# KiCad board redherring.kicad_pcb (continued)
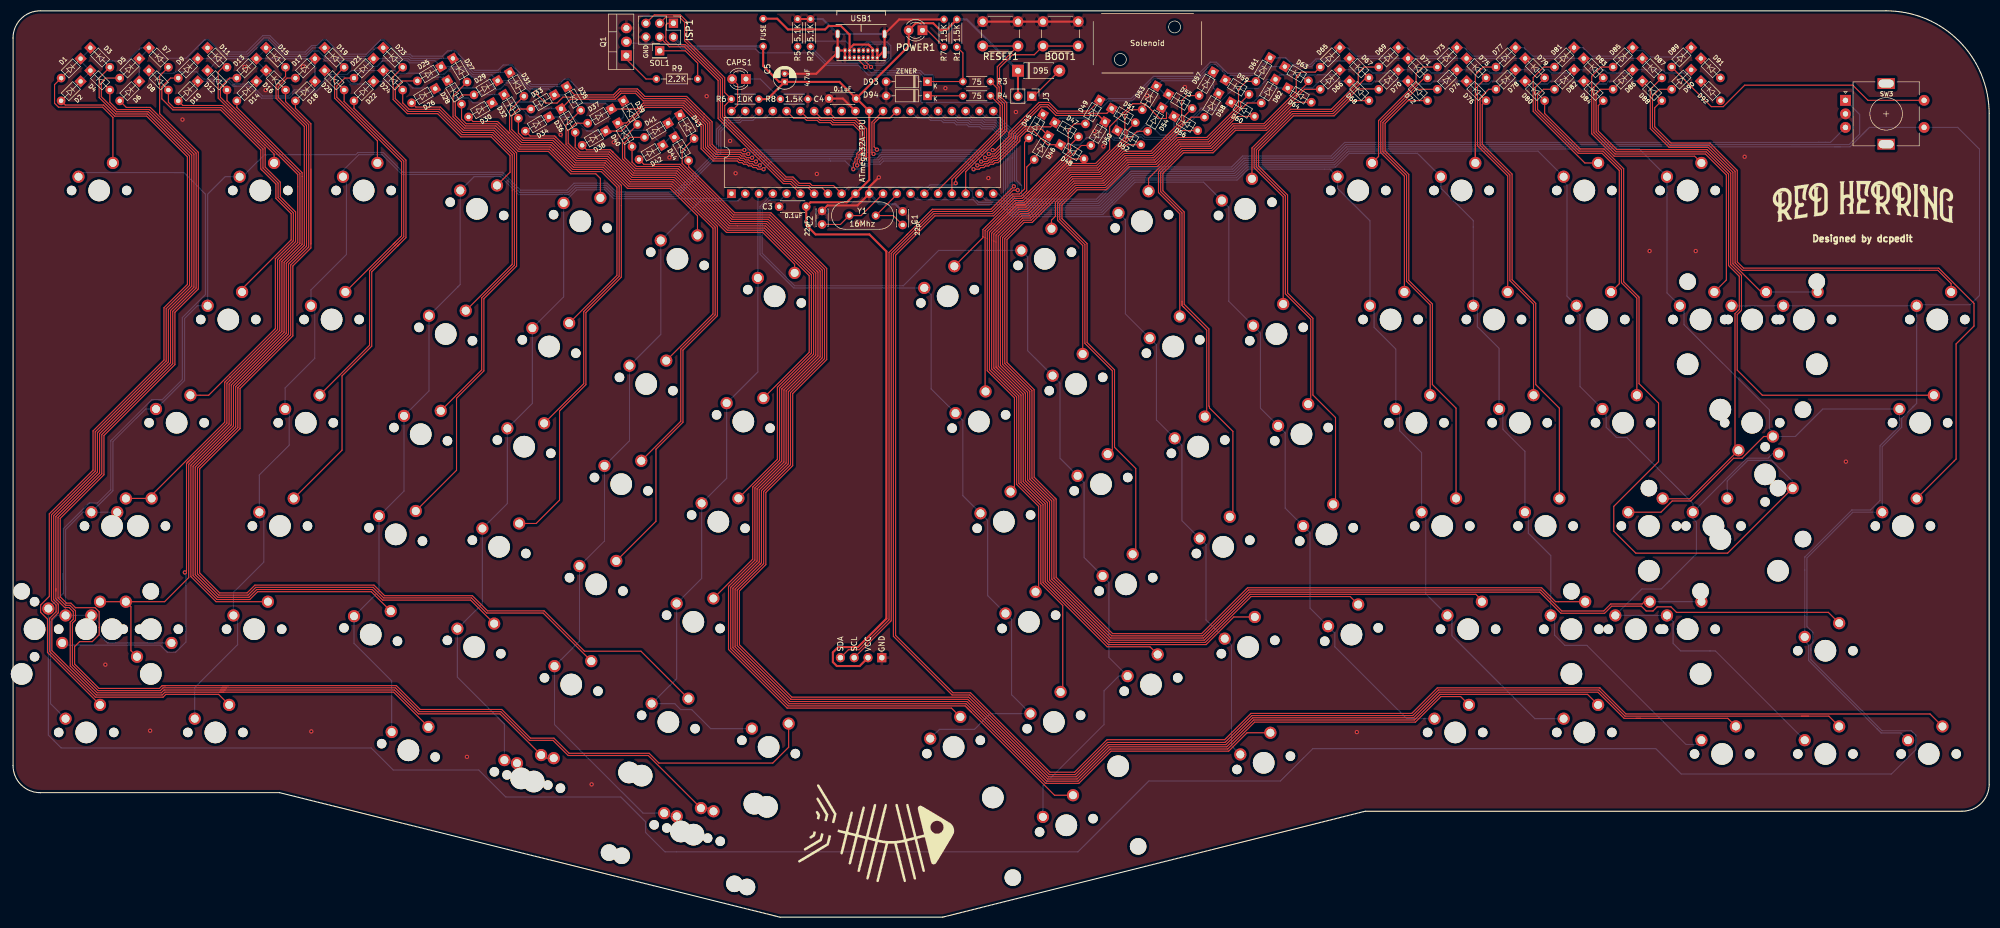
[diagram p0: board, top side]
## Routing (per net, layer and track width the routed paths; a pad name or vN(x,y) marks a point on that pad's centre or on a via; arc(x,y) is an arc through that point) (continued)
Net-(D7-Pad2): length 280.1
  Top w0.203: MX606.2 143.01,31.36 140.08,28.44 119.09,28.44 117.29,30.24 102.53,30.24 99.74,33.03 95.4,33.03 90.1,38.33 75.08,38.33 70.68,42.73 39.68,42.73 ; 28.13,42.73 27.5,42.73 26.98,42.21 15.85,42.21 11.35,46.7 11.35,49.92 12.27,50.84 14.6,50.84 15.88,52.12 15.88,53.45 15.87,53.46 15.87,56.36 15.13,57.1 11.51,57.1 10.67,57.94 9.86,57.94 8.7,59.11 8.7,73.58 16.76,81.65 16.76,88.89 29.84,101.97 29.84,111.62 34.16,115.94 34.16,141.14 27.03,148.28 27.03,155.23 D7.2 ; 28.13,42.73 39.68,42.73 ; 28.13,42.73 27.5,42.73 ; 39.68,42.73 38.57,42.73
Net-(D8-Pad2): length 80.9
  Top w0.203: MX301.2 36.07,96.32 48.36,108.61 48.36,121.5 51.69,124.83 51.69,129.97 48.87,132.79 48.87,135.46 46.08,138.25 46.08,141.75 38.44,149.38 29.64,149.38 28.64,150.38 D8.2
Net-(D9-Pad2): length 60.4
  Top w0.203: MX201.2 42.23,115.94 51.29,125 51.29,129.8 48.47,132.62 48.47,135.29 45.68,138.08 45.68,141.58 38.27,148.98 29.47,148.98 27.43,151.02 27.43,153.23 29.04,154.84 D9.2
Net-(D10-Pad2): length 102.9
  Top w0.203: 45.06,143.34 46.48,141.91 46.48,138.42 49.28,135.62 49.28,132.96 50.93,131.31 50.93,131.3 52.09,130.14 52.09,124.66 48.77,121.34 48.77,108.45 40.01,99.68 39.03,98.71 39.03,91.34 25.53,77.84 25.53,77.27 MX401.125.2 ; 45.06,143.34 45.44,142.96 ; 45.06,143.34 38.61,149.79 31.32,149.79 D10.2
Net-(D11-Pad2): length 23.7
  Top w0.203: 40.43,148.53 39.94,149.02 ; 39.94,149.02 48.13,140.83 MX101.2 ; 39.94,149.02 37.82,151.14 37.82,155.97 38.69,156.84 D11.2
Net-(D12-Pad2): length 133.3
  Top w0.203: D12.2 39.44,150.66 52.9,137.21 52.9,124.33 49.57,121 49.57,108.11 39.84,98.37 39.84,91.01 32.38,83.56 32.38,62.66 27.94,58.22 MX501.175.2 ; MX501.2 21.74,49.18 21.74,57.28 MX501.175.2 ; MX501.175.2 MX501.225.2
Net-(D13-Pad2): length 146.9
  Top w0.203: 33.31,85.05 31.98,83.72 ; 33.31,85.05 31.98,83.72 ; 33.31,85.05 39.43,91.17 39.43,98.54 40.02,99.13 49.17,108.28 49.17,121.17 52.5,124.49 52.5,137.04 38.23,151.31 38.23,153.15 39.92,154.84 D13.2 ; 31.98,83.72 31.98,63.91 v1(31.68,63.62)
  Bottom w0.203: 9.05,50.6 9.45,50.19 27.14,50.19 28.45,48.88 29.97,48.88 31.88,50.79 31.88,63.42 v1(31.68,63.62)
Net-(D14-Pad2): length 117.7
  Top w0.203: MX502.2 37.42,58.22 32.79,62.85 32.79,83.39 40.24,90.84 40.24,98.21 49.98,107.94 49.98,120.84 53.3,124.16 53.3,137.38 41.26,149.41 D14.2 41.26,150.36
Net-(D15-Pad2): length 145.6
  Top w0.203: MX503.2 66.05,60.06 45.09,60.06 43.65,58.62 37.59,58.62 33.19,63.02 33.19,83.22 38.98,89.01 40.64,90.67 40.64,98.04 50.38,107.78 50.38,120.67 53.71,123.99 53.71,145.9 48.49,151.12 48.49,153.4 50.24,155.15 D15.2
Net-(D16-Pad2): length 180
  Top w0.203: MX505.2 97.74,56.12 87.32,56.12 84.53,58.92 68.34,58.92 66.39,60.87 44.75,60.87 43.31,59.43 37.92,59.43 34,63.35 34,82.89 39.32,88.21 41.45,90.34 41.45,97.71 51.19,107.44 51.19,120.34 54.51,123.66 54.51,146.24 50.24,150.5 D16.2
Net-(D17-Pad2): length 164.6
  Top w0.203: MX504.2 84.37,58.51 68.17,58.51 66.22,60.46 44.92,60.46 43.48,59.02 37.76,59.02 33.59,63.19 33.59,83.05 39.15,88.61 41.05,90.51 41.05,97.87 50.78,107.61 50.78,120.5 54.11,123.83 54.11,146.07 48.89,151.28 48.89,153.23 50.51,154.84 D17.2
Net-(D18-Pad2): length 211.5
  Top w0.203: D18.2 52.06,149.25 54.91,146.4 54.91,124.24 ; 54.91,124.24 54.91,123.49 51.59,120.17 51.59,107.28 41.85,97.54 41.85,90.17 39.49,87.81 34.4,82.72 34.4,63.52 38.09,59.83 43.15,59.83 44.58,61.27 66.55,61.27 68.5,59.32 84.7,59.32 87.49,56.53 97.91,56.53 105.35,49.08 115.77,49.08 MX506.2 ; 54.91,124.24 54.91,138.04
Net-(D19-Pad2): length 21.7
  Top w0.203: D19.2 59.29,155.08 59.29,151.14 67.18,143.25 MX102.2
Net-(D20-Pad2): length 67.9
  Top w0.203: 70.39,123.91 72.04,125.56 72.04,139.53 61.04,150.53 D20.2 ; 70.39,123.91 70.83,124.35 ; 70.39,123.91 65.73,119.25 65.73,105.53 MX302.2
Net-(D21-Pad2): length 51.5
  Top w0.203: 70.43,124.52 70.1,124.19 ; 70.1,124.19 MX202.2 ; 70.1,124.19 71.64,125.73 71.64,139.36 59.69,151.31 59.69,153.36 61.17,154.84 D21.2
Net-(D22-Pad2): length 86.3
  Top w0.203: D22.2 62.86,149.28 72.45,139.69 72.45,125.4 70.93,123.88 ; 70.93,123.88 66.13,119.08 66.13,105.37 60.66,99.89 60.66,86.18 MX402.2 ; 70.93,123.88 71.24,124.19
Net-(D23-Pad2): length 39
  Top w0.203: D23.2 70.08,155.08 70.08,150.89 72.69,148.28 78.28,148.28 82.56,144 88.15,144 91.64,140.51 91.64,137.47 89.23,135.07 MX103.2
Net-(D24-Pad2): length 79.9
  Top w0.203: MX303.2 86.41,100.98 86.41,114.29 92.44,120.32 92.44,140.85 88.48,144.81 82.9,144.81 78.62,149.09 73.03,149.09 71.84,150.27 D24.2
Net-(D25-Pad2): length 64.7
  Top w0.203: D25.2 71.78,154.31 70.48,153.02 70.48,151.06 72.86,148.68 78.45,148.68 82.73,144.4 88.32,144.4 92.04,140.68 92.04,120.49 MX203.2
Net-(D26-Pad2): length 97
  Top w0.203: D26.2 74.29,149.49 78.79,149.49 83.06,145.21 88.65,145.21 92.82,141.04 92.85,141.04 92.85,120.15 86.81,114.12 86.81,100.81 81.77,95.77 81.77,82.47 MX403.2
Net-(D27-Pad2): length 43
  Top w0.203: D27.2 81.13,151.54 81.13,147.71 83.23,145.61 88.82,145.61 90.17,144.26 90.2,144.26 93.14,141.32 98.7,141.32 102.84,137.18 107.44,137.18 108.29,136.33 MX104.2
Net-(D28-Pad2): length 86.4
  Top w0.203: D28.2 82.7,147.29 83.57,146.42 89.18,146.42 93.46,142.14 99.02,142.14 99.57,141.59 99.57,141.59 103.18,137.99 108.65,137.99 111.75,134.88 111.75,118.27 105.22,111.74 105.22,98.43 MX304.2
Net-(D29-Pad2): length 70.6
  Top w0.203: D29.2 82.79,151.74 81.53,150.48 81.53,147.88 83.4,146.02 89.01,146.02 93.31,141.72 98.87,141.72 102.77,137.82 102.77,137.82 103.01,137.58 108.48,137.58 111.35,134.72 111.35,118.44 MX204.2
Net-(D30-Pad2): length 105.9
  Top w0.203: 91.48,144.68 93.62,142.54 99.19,142.54 103.34,138.39 108.82,138.39 112.16,135.05 112.16,118.1 105.62,111.57 105.62,98.27 100.76,93.4 100.76,76.96 96.45,72.65 MX404.2 ; 91.48,144.68 89.35,146.82 84.82,146.82 D30.2 83.98,147.66 ; 91.48,144.68 91.14,145.03
Net-(D31-Pad2): length 52.2
  Top w0.203: D31.2 91.54,148.86 91.54,145.19 93.79,142.95 99.36,142.95 103.51,138.79 108.99,138.79 113.29,134.49 121.14,134.49 126.2,129.43 MX105.2
Net-(D32-Pad2): length 95
  Top w0.203: D32.2 93.17,144.7 94.13,143.75 99.71,143.75 103.86,139.6 109.32,139.6 110.24,138.68 113.62,135.3 121.47,135.3 129.46,127.3 129.46,111.15 123.12,104.81 123.12,91.51 MX305.2
Net-(D33-Pad2): length 79.3
  Top w0.203: MX205.2 129.06,111.32 129.06,127.14 121.3,134.89 113.45,134.89 109.15,139.2 103.7,139.2 99.54,143.35 93.96,143.35 91.95,145.36 91.95,147.94 93.13,149.13 D33.2
Net-(D34-Pad2): length 112.3
  Top w0.203: 100.12,143.92 99.88,144.16 95.35,144.16 D34.2 ; 100.12,143.92 100.03,144.01 ; 100.12,143.92 104.03,140 109.49,140 113.79,135.7 121.64,135.7 129.87,127.47 129.87,110.99 123.52,104.64 123.52,91.34 118.54,86.36 118.54,73.05 MX405.2
Net-(D35-Pad2): length 60.3
  Top w0.203: D35.2 101.96,146.18 101.96,142.65 104.2,140.41 109.65,140.41 113.96,136.1 121.8,136.1 131.55,126.36 138.24,126.36 144.11,120.49 MX106.2
Net-(D36-Pad2): length 102.9
  Top w0.203: MX306.2 140.93,84.49 140.93,97.79 147.2,104.07 147.2,118.54 138.57,127.17 131.88,127.17 122.14,136.91 114.29,136.91 114.05,137.15 109.99,141.21 104.53,141.21 103.65,142.09 D36.2
Net-(D37-Pad2): length 87.1
  Top w0.203: D37.2 103.72,146.51 102.36,145.16 102.36,142.81 104.37,140.81 109.82,140.81 110.27,140.36 114.12,136.51 121.97,136.51 131.71,126.76 138.41,126.76 146.8,118.37 146.8,104.23 MX206.2
Net-(D38-Pad2): length 120.3
  Top w0.203: D38.2 105.76,141.62 110.15,141.62 110.59,141.18 ; 110.59,141.18 114.46,137.31 122.3,137.31 132.05,127.57 138.74,127.57 147.61,118.7 147.61,103.9 141.33,97.63 141.33,84.32 136.38,79.37 136.38,66.06 MX406.2 ; 110.59,141.18 110.43,141.34
Net-(D39-Pad2): length 175.9
  Top w0.203: D39.2 112.37,143.51 112.37,139.97 114.62,137.72 122.47,137.72 132.21,127.97 138.91,127.97 148.01,118.87 148.01,103.73 141.74,97.46 141.74,84.16 136.78,79.2 136.78,65.9 131.92,61.03 131.92,49.4 142.74,38.58 173.03,38.58 MX607.2
Net-(D40-Pad2): length 235.4
  Top w0.203: MX609.2 227.53,34.03 224.13,30.63 202.45,30.63 196.51,24.69 190.41,24.69 175.71,39.39 143.07,39.39 132.73,49.73 132.73,60.7 137.59,65.56 137.59,78.87 142.54,83.82 142.54,97.13 148.82,103.4 148.82,119.21 139.24,128.78 132.55,128.78 122.81,138.52 114.96,138.52 114.13,139.35 D40.2
Net-(D41-Pad2): length 203
  Top w0.203: MX608.2 192.03,22.5 176.7,37.83 ; 176.7,37.83 175.55,38.98 142.91,38.98 132.32,49.57 132.32,60.87 137.19,65.73 137.19,79.03 142.14,83.99 142.14,97.29 148.41,103.57 148.41,119.04 148.18,119.27 139.08,128.38 132.38,128.38 122.64,138.12 114.79,138.12 112.78,140.13 112.78,142.91 113.77,143.9 D41.2 ; 176.7,37.83 175.78,38.75
Net-(D42-Pad2): length 271.1
  Top w0.203: MX610.2 266.9,40.71 263.29,40.71 258.57,35.99 228.92,35.99 223.96,31.03 202.28,31.03 196.34,25.09 190.58,25.09 175.88,39.79 143.24,39.79 133.13,49.9 133.13,60.53 137.99,65.4 137.99,78.7 142.95,83.65 142.95,96.96 149.22,103.23 149.22,119.37 139.41,129.18 132.72,129.18 122.97,138.93 116.32,138.93 D42.2
Net-(D43-Pad2): length 292.2
  Top w0.203: D43.2 123.37,141.48 123.37,139.09 132.88,129.59 139.58,129.59 149.62,119.54 149.62,103.07 143.35,96.79 143.35,83.49 138.4,78.53 138.4,65.23 133.53,60.37 133.53,50.1 143.41,40.22 143.41,40.19 176.05,40.19 176.28,39.96 190.74,25.5 196.18,25.5 202.12,31.44 223.8,31.44 228.75,36.39 258.4,36.39 263.12,41.11 290.31,41.11 MX611.2
Net-(D44-Pad2): length 314.3
  Top w0.203: 300.1,36.69 299.21,36.69 ; 300.1,36.69 316.17,36.69 MX612.2 ; 300.1,36.69 297.05,36.69 292.23,41.52 262.96,41.52 258.24,36.8 228.59,36.8 223.63,31.84 201.95,31.84 196.01,25.9 190.91,25.9 176.21,40.6 143.6,40.6 133.94,50.26 133.94,60.2 138.8,65.06 138.8,78.37 143.75,83.32 143.75,96.63 150.03,102.9 150.03,119.71 139.74,129.99 133.05,129.99 124.56,138.47 D44.2
Net-(D45-Pad2): length 304.9
  Top w0.203: 329.8,37.09 297.22,37.09 292.39,41.92 262.79,41.92 258.07,37.2 228.42,37.2 223.47,32.25 201.79,32.25 195.84,26.3 191.08,26.3 176.38,41 173.15,41 162.32,51.83 162.32,122.32 169.82,129.82 180.63,129.82 184.26,133.45 185.57,133.45 186.5,134.38 186.5,142.99 D45.2 ; 329.8,37.09 334.81,37.09 MX613.2 ; 329.8,37.09 331.07,37.09
Net-(D46-Pad2): length 318.5
  Top w0.203: D46.2 186.91,138.42 186.91,134.04 185.91,133.05 184.43,133.05 180.8,129.42 169.99,129.42 162.73,122.16 162.73,51.99 173.32,41.4 176.55,41.4 191.2,26.75 195.72,26.75 201.72,32.75 223.4,32.75 228.25,37.6 257.9,37.6 262.62,42.32 292.56,42.32 297.39,37.5 353.46,37.5 MX614.2
Net-(D47-Pad2): length 55
  Top w0.203: D47.2 194.97,142.52 194.97,140.96 186.25,132.24 184.76,132.24 179.23,126.71 179.23,125.43 179.23,97.1 MX207.2
Net-(D48-Pad2): length 138.5
  Top w0.203: D48.2 195.08,139.93 186.58,131.44 ; 186.58,131.44 185.1,131.44 ; 186.58,131.44 194.22,139.08 199.6,139.08 202.19,141.66 202.19,145.86 206.44,150.1 208.74,150.1 211.47,147.37 212.67,147.37 212.67,148.46 ; 186.58,131.44 185.1,131.44 ; MX407.2 189.1,60.61 189.1,75.81 185.05,79.86 185.05,96 180.04,101.01 180.04,125.09 180.04,126.37 185.1,131.44 ; 185.1,131.44 181.47,127.8
Net-(D49-Pad2): length 38.8
  Top w0.203: D49.2 195.67,146.39 194.56,145.28 194.56,141.13 186.99,133.55 ; 186.99,133.55 186.08,132.65 184.6,132.65 178.83,126.88 178.83,125.38 MX107.2 ; 186.99,133.55 187.33,133.89
Net-(D50-Pad2): length 76.1
  Top w0.203: MX307.2 184.64,79.24 184.64,95.84 179.63,100.85 179.63,125.26 179.63,126.54 184.93,131.84 186.41,131.84 196.98,142.41 D50.2
Net-(D51-Pad2): length 130.1
  Top w0.203: D51.2 205.4,145.08 205.4,143.73 199.94,138.27 194.55,138.27 186.92,130.63 185.43,130.63 181.38,126.58 180.84,126.04 180.84,124.76 180.84,101.35 185.85,96.34 185.85,80.2 189.91,76.14 189.91,61.73 201.74,49.9 209.63,49.9 MX508.2
Net-(D52-Pad2): length 166.8
  Top w0.203: MX510.2 246.55,59.17 228.28,59.17 219.82,50.71 202.07,50.71 190.72,62.06 190.72,76.48 186.66,80.53 186.66,96.67 181.65,101.68 181.65,125.71 185.77,129.82 187.25,129.82 194.89,137.46 200.27,137.46 205.35,142.54 D52.2
Net-(D53-Pad2): length 129.9
  Top w0.203: D53.2 205.91,149 204.99,148.08 204.99,143.89 199.77,138.67 194.39,138.67 186.75,131.03 185.26,131.03 180.44,126.21 180.44,124.92 180.44,101.18 185.45,96.17 185.45,80.03 189.51,75.97 189.51,61.56 193.55,57.52 193.55,41.96 MX507.2
Net-(D54-Pad2): length 149.6
  Top w0.203: 181.24,101.51 181.24,125.87 181.79,126.42 185.6,130.23 187.08,130.23 194.72,137.87 200.11,137.87 207.26,145.02 D54.2 ; 181.24,101.51 181.55,101.21 ; 181.24,101.51 186.26,96.5 186.26,80.36 190.31,76.31 190.31,61.89 201.91,50.3 219.99,50.3 225.08,55.4 MX509.2
Net-(D55-Pad2): length 269.4
  Top w0.203: D55.2 215.87,147.7 215.87,146.84 209.97,140.94 204.89,140.94 200.61,136.66 195.22,136.66 187.58,129.02 186.1,129.02 182.45,125.37 182.45,102.02 187.47,97 187.47,80.87 191.52,76.81 191.52,62.4 202.41,51.51 219.49,51.51 227.95,59.98 281.51,59.98 285.41,56.08 293.46,56.08 294.77,57.39 300.23,57.39 301.12,56.5 302.39,56.5 303.15,57.26 305.69,57.26 306.7,56.25 334.71,56.25 MX514.2
Net-(D56-Pad2): length 216
  Top w0.203: D56.2 215.33,145.16 210.31,140.13 205.22,140.13 200.94,135.85 195.56,135.85 187.92,128.21 186.43,128.21 183.26,125.04 183.26,102.35 188.27,97.34 188.27,81.2 192.33,77.14 192.33,62.73 202.74,52.32 219.15,52.32 227.62,60.78 281.85,60.78 284.41,58.22 MX512.2
Net-(D57-Pad2): length 205.2
  Top w0.203: D57.2 216.39,151.61 215.47,150.69 215.47,147.01 209.81,141.34 204.72,141.34 200.44,137.06 195.05,137.06 187.42,129.42 185.93,129.42 182.05,125.54 182.05,101.85 187.06,96.84 187.06,80.7 191.12,76.64 191.12,62.23 202.24,51.11 219.65,51.11 228.12,59.57 269.73,59.57 270.83,58.47 MX511.2
Net-(D58-Pad2): length 242.1
  Top w0.203: MX513.225.2 300.8,58.22 300.38,57.8 294.6,57.8 293.31,56.5 285.56,56.5 281.68,60.38 227.78,60.38 219.32,51.92 202.57,51.92 191.93,62.56 191.93,76.98 187.87,81.03 187.87,97.17 182.86,102.18 182.86,125.21 186.27,128.61 187.75,128.61 195.39,136.25 200.77,136.25 205.06,140.54 210.14,140.54 217.24,147.63 D58.2
  Bottom w0.203: MX513.225.2 MX513.2
Net-(D59-Pad2): length 73.8
  Top w0.203: MX208.2 197.23,123.94 192.6,128.57 192.6,131.75 195.89,135.04 201.27,135.04 205.56,139.33 210.64,139.33 214.79,143.48 220.26,143.48 226.35,149.57 226.35,150.31 D59.2
Net-(D60-Pad2): length 112.6
  Top w0.203: D60.2 225.69,147.77 220.59,142.67 215.13,142.67 211.22,138.76 211.21,138.76 210.98,138.52 205.89,138.52 201.61,134.24 196.22,134.24 193.4,131.42 193.4,128.91 198.03,124.28 198.03,106.06 203.1,100.99 203.1,86.71 207.01,82.79 207.01,67.53 MX408.2
Net-(D61-Pad2): length 54.4
  Top w0.203: MX108.2 191.47,128.63 192.19,129.35 192.19,131.92 195.72,135.45 201.11,135.45 205.39,139.73 210.47,139.73 214.62,143.88 218.31,143.88 ; D61.2 227.39,154.23 225.95,152.79 225.95,149.74 225.68,149.47 ; 218.31,143.88 220.09,143.88 225.68,149.47 ; 218.31,143.88 218.78,143.88 ; 225.68,149.47 225.17,148.96
Net-(D62-Pad2): length 95.5
  Top w0.203: D62.2 227.6,150.25 220.43,143.07 214.97,143.07 214.38,142.48 214.37,142.48 210.81,138.92 205.72,138.92 201.44,134.64 196.06,134.64 193,131.58 193,128.74 197.63,124.11 197.63,105.89 202.69,100.83 202.69,86.35 201.79,85.45 MX308.2
Net-(D63-Pad2): length 63.1
  Top w0.203: MX209.2 215.13,129.79 211.2,133.72 211.2,137.6 215.47,141.86 220.93,141.86 225.08,146.02 230.8,146.02 238.84,154.06 D63.2
Net-(D64-Pad2): length 101.8
  Top w0.203: D64.2 236.31,150.38 231.13,145.21 225.41,145.21 221.26,141.06 215.8,141.06 212.01,137.26 212.01,134.05 215.94,130.12 215.94,113.1 220.49,108.55 220.49,94.33 220.6,94.22 220.6,93.97 224.92,89.65 224.92,74.45 MX409.2
Net-(D65-Pad2): length 44.1
  Top w0.203: MX109.2 209.37,136.34 215.3,142.27 220.76,142.27 224.91,146.42 230.63,146.42 236.6,152.39 236.6,155.06 237.49,155.94 240.09,155.94 D65.2
Net-(D66-Pad2): length 85.5
  Top w0.203: 215.54,113.63 215.54,113 ; 215.54,113.63 215.54,129.95 211.6,133.89 211.6,137.43 215.63,141.46 221.09,141.46 225.25,145.61 230.97,145.61 238.13,152.78 D66.2 ; 215.54,113.63 215.54,112.87 215.9,112.51 ; 215.9,112.51 220.09,108.32 220.09,92.71 MX309.2 ; 215.9,112.51 215.65,112.76
Net-(D67-Pad2): length 57.4
  Top w0.203: D67.2 249.44,154.88 243.25,148.68 235.75,148.68 235.46,148.39 235.46,148.39 228.84,141.77 228.84,138.29 234.19,132.93 MX210.2
Net-(D68-Pad2): length 95.5
  Top w0.203: MX410.2 243.84,76.61 243.84,92.19 239.67,96.36 239.67,110.52 235,115.19 235,133.27 229.64,138.63 229.64,141.43 236.09,147.88 243.58,147.88 246.38,150.68 D68.2
Net-(D69-Pad2): length 36.3
  Top w0.203: D69.2 249.09,156.88 248.03,155.82 248.03,154.04 243.08,149.09 235.58,149.09 232.92,146.42 232.92,146.42 228.43,141.94 MX110.2
Net-(D70-Pad2): length 78.5
  Top w0.203: MX310.2 239.27,95.13 239.27,110.35 234.6,115.02 234.6,133.1 229.24,138.46 229.24,141.6 235.92,148.28 243.41,148.28 247.97,152.84 251.76,152.84 D70.2
Net-(D71-Pad2): length 45.2
  Top w0.203: D71.2 260.23,154.88 252.18,146.82 252.18,141.09 256.54,136.73 MX211.2
Net-(D72-Pad2): length 84.2
  Top w0.203: MX411.2 266.06,93.93 261.71,98.29 261.71,113.14 257.35,117.5 257.35,137.06 252.99,141.42 252.99,146.49 257.17,150.68 D72.2
Net-(D73-Pad2): length 24.3
  Top w0.203: D73.2 259.89,156.88 258.7,155.69 258.7,153.91 251.78,146.99 251.78,140.39 MX111.2
Net-(D74-Pad2): length 66.5
  Top w0.203: MX311.2 261.3,112.98 256.94,117.34 256.94,136.89 252.58,141.25 252.58,146.66 258.7,152.78 D74.2
Net-(D75-Pad2): length 42.5
  Top w0.203: MX212.2 275.59,136.79 270.02,142.35 270.02,153.3 D75.2
Net-(D76-Pad2): length 79.6
  Top w0.203: D76.2 270.91,149.98 270.91,142.61 276.4,137.12 276.4,117.63 280.76,113.27 280.76,98.29 285.11,93.93 285.11,77.27
Net-(D77-Pad2): length 22.8
  Top w0.203: D77.2 271.06,156.88 269.62,155.44 269.62,142.48 ; 269.62,142.48 MX112.2 ; 269.62,142.48 269.62,140.39
Net-(D78-Pad2): length 62.5
  Top w0.203: MX312.2 280.35,113.1 275.99,117.46 275.99,136.96 270.5,142.45 270.5,151.21 272.07,152.78 D78.2
Net-(D79-Pad2): length 49.8
  Top w0.203: MX213.2 296.16,116.89 296.16,137.78 292.99,140.96 288.61,140.96 280.69,148.87 280.69,153.17 D79.2
Net-(D80-Pad2): length 154.5
  Top w0.203: D80.2 282.4,148.3 288.94,141.76 293.32,141.76 296.97,138.12 296.97,117.25 299.81,114.41 299.81,98.45 303.4,94.86 303.4,84.06 295.15,75.81 295.15,71.24 299.21,67.17 316.13,67.17 MX413.2
  Bottom w0.203: 328.14,80.16 MX413.2 328.14,80.41 324.25,84.29 319.86,84.29 316.07,80.51 MX413.225.2
Net-(D81-Pad2): length 26.9
  Top w0.203: MX113.2 289.81,139.18 280.29,148.71 280.29,154.93 282.24,156.88 D81.2
Net-(D82-Pad2): length 69.1
  Top w0.203: D82.2 282.2,152.78 281.1,151.67 281.1,149.04 288.77,141.36 293.16,141.36 296.57,137.95 296.57,117.08 299.4,114.25 MX313.2
Net-(D83-Pad2): length 61
  Top w0.203: MX214.2 315.91,117.58 315.91,136.96 312.04,140.83 295.4,140.83 291.49,144.74 291.49,153.16 D83.2
Net-(D84-Pad2): length 109.1
  Top w0.203: 353.97,96.32 322.54,96.32 317.9,100.95 317.9,111.18 318.69,111.98 318.69,118.43 316.71,120.41 316.71,137.3 312.37,141.64 295.73,141.64 292.29,145.07 292.29,149.77 D84.2
Net-(D85-Pad2): length 37.7
  Top w0.203: D85.2 292.78,156.88 291.08,155.18 291.08,144.57 295.23,140.43 310.06,140.43 MX114.2
Net-(D86-Pad2): length 108.2
  Top w0.203: MX314.2 304.23,77.2 309.18,77.2 MX314.150.2 317.5,86.79 317.5,111.35 318.29,112.14 318.29,118.26 316.31,120.25 316.31,137.13 312.21,141.23 295.56,141.23 291.89,144.91 291.89,151.92 292.74,152.78 D86.2
Net-(D87-Pad2): length 63.5
  Top w0.203: MX215.2.2 322.33,115.37 317.12,120.58 317.12,137.47 312.54,142.04 305.37,142.04 301.88,145.53 301.88,152.75 D87.2
  Bottom w0.203: MX215.2.2 MX215.2
Net-(D88-Pad2): length 128
  Top w0.203: D88.2 302.69,149.36 302.69,145.86 305.7,142.85 312.87,142.85 317.92,137.8 317.92,120.91 319.06,119.77 355.07,119.77 361.57,113.27 361.57,109.08 358.27,105.78 358.27,84.54 MX415.2
Net-(D89-Pad2): length 52.4
  Top w0.203: D89.2 313.13,149.58 315.33,149.58 319.29,153.53 339.22,153.53 342.01,150.74 SW3.S2
Net-(D90-Pad2): length 88.3
  Top w0.203: MX315.2 357.35,116.92 354.9,119.37 318.9,119.37 317.52,120.75 317.52,137.63 312.71,142.44 305.54,142.44 302.28,145.7 302.28,151.52 303.54,152.78 D90.2
Net-(D93-Pad1): length 41.3
  Top w0.203: D93.1 168.63,154.21 R3.2 175.14,159.48 R1.2 ; USB1.A7 155.94,158.14 v1(157.19,156.89)
  Bottom w0.203: 162.94,155.82 158.27,155.82 v1(157.19,156.89) 157.2,156.89 157.9,157.59 160.51,157.59 161.45,158.53 161.45,160.65 161.01,161.09 157.73,161.09 157.01,160.37 157.01,160.16 USB1.B7 ; 162.94,155.82 162.43,155.82 ; 162.94,155.82 167.13,155.82 168.6,154.35 D93.1
Net-(D94-Pad1): length 40.1
  Top w0.203: USB1.A6 156.79,158.29 v1(158.19,156.89) ; R4.2 D94.1
  Bottom w0.203: 162.6,156.22 163.85,156.22 ; 163.85,156.22 167.3,156.22 168.08,155.44 169.48,155.44 169.7,155.22 169.7,152.67 D94.1 ; 163.85,156.22 158.86,156.22 v1(158.19,156.89) 158.49,157.19 160.68,157.19 161.85,158.36 161.85,160.82 161.17,161.49 157.29,161.49 155.94,160.15 USB1.B6
Net-(D95-Pad2): length 89.1
  Top w0.203: D95.2 188.21,151.5 J3.1
  Bottom w0.203: J3.1 186.68,150.35 167.62,150.35 167.39,150.58 167.39,154.29 166.26,155.41 157.68,155.41 155.9,157.19 149.94,157.19 147.63,159.5 137.61,159.5 136.91,160.2 123.29,160.2 122.23,161.27 113.35,161.27 Q1.2
Net-(POWER1-Pad1): length 5.2
  Top w0.203: R7.1 168.57,163.67 POWER1.1
Net-(Q1-Pad1): length 7.7
  Top w0.203: R9.1 116.71,154.67 113.09,158.3 Q1.1
Net-(R2-Pad2): length 14.3
  Bottom w0.203: 147.69,160.01 R2.2 150.1,157.59 157.33,157.59 157.64,157.91 USB1.A5 157.64,157.95
Net-(R5-Pad2): length 11.7
  Bottom w0.203: R5.2 145.66,161.66 153.58,161.66 155.09,160.15 USB1.B5
Net-(R9-Pad2): length 10.9
  Top w0.203: R9.2 126.24,157.59 123.96,159.88 SOL1.1

## Copper pours and planes (outline as drawn; the poured copper is in the pictures)
GND on Top: 364.33,19.55 249.68,19.55 171.2,-0.01 141.22,-0.01 49.28,22.85 -0.13,22.85 -0.13,167.37 364.33,167.37
GND on Bottom: 364.33,19.55 249.68,19.55 171.2,-0.01 141.22,-0.01 49.28,22.85 -0.13,22.85 -0.13,167.37 364.33,167.37

## Text on the board
F.Mask: Rev 3
F.Silkscreen: ZENER | GND | Designed by dcpedit
